# Altium PCB 蓝桥杯2.0.PcbDoc (part 2 of 2)
Units mm, origin at the board's own origin, x right, y up, seen from the top; angles counter-clockwise.
Board outline 200.03 x 140.08 mm, 2 copper layers (Top Layer, Bottom Layer); 155 components, 169 nets, 963 pads, 197 vias.
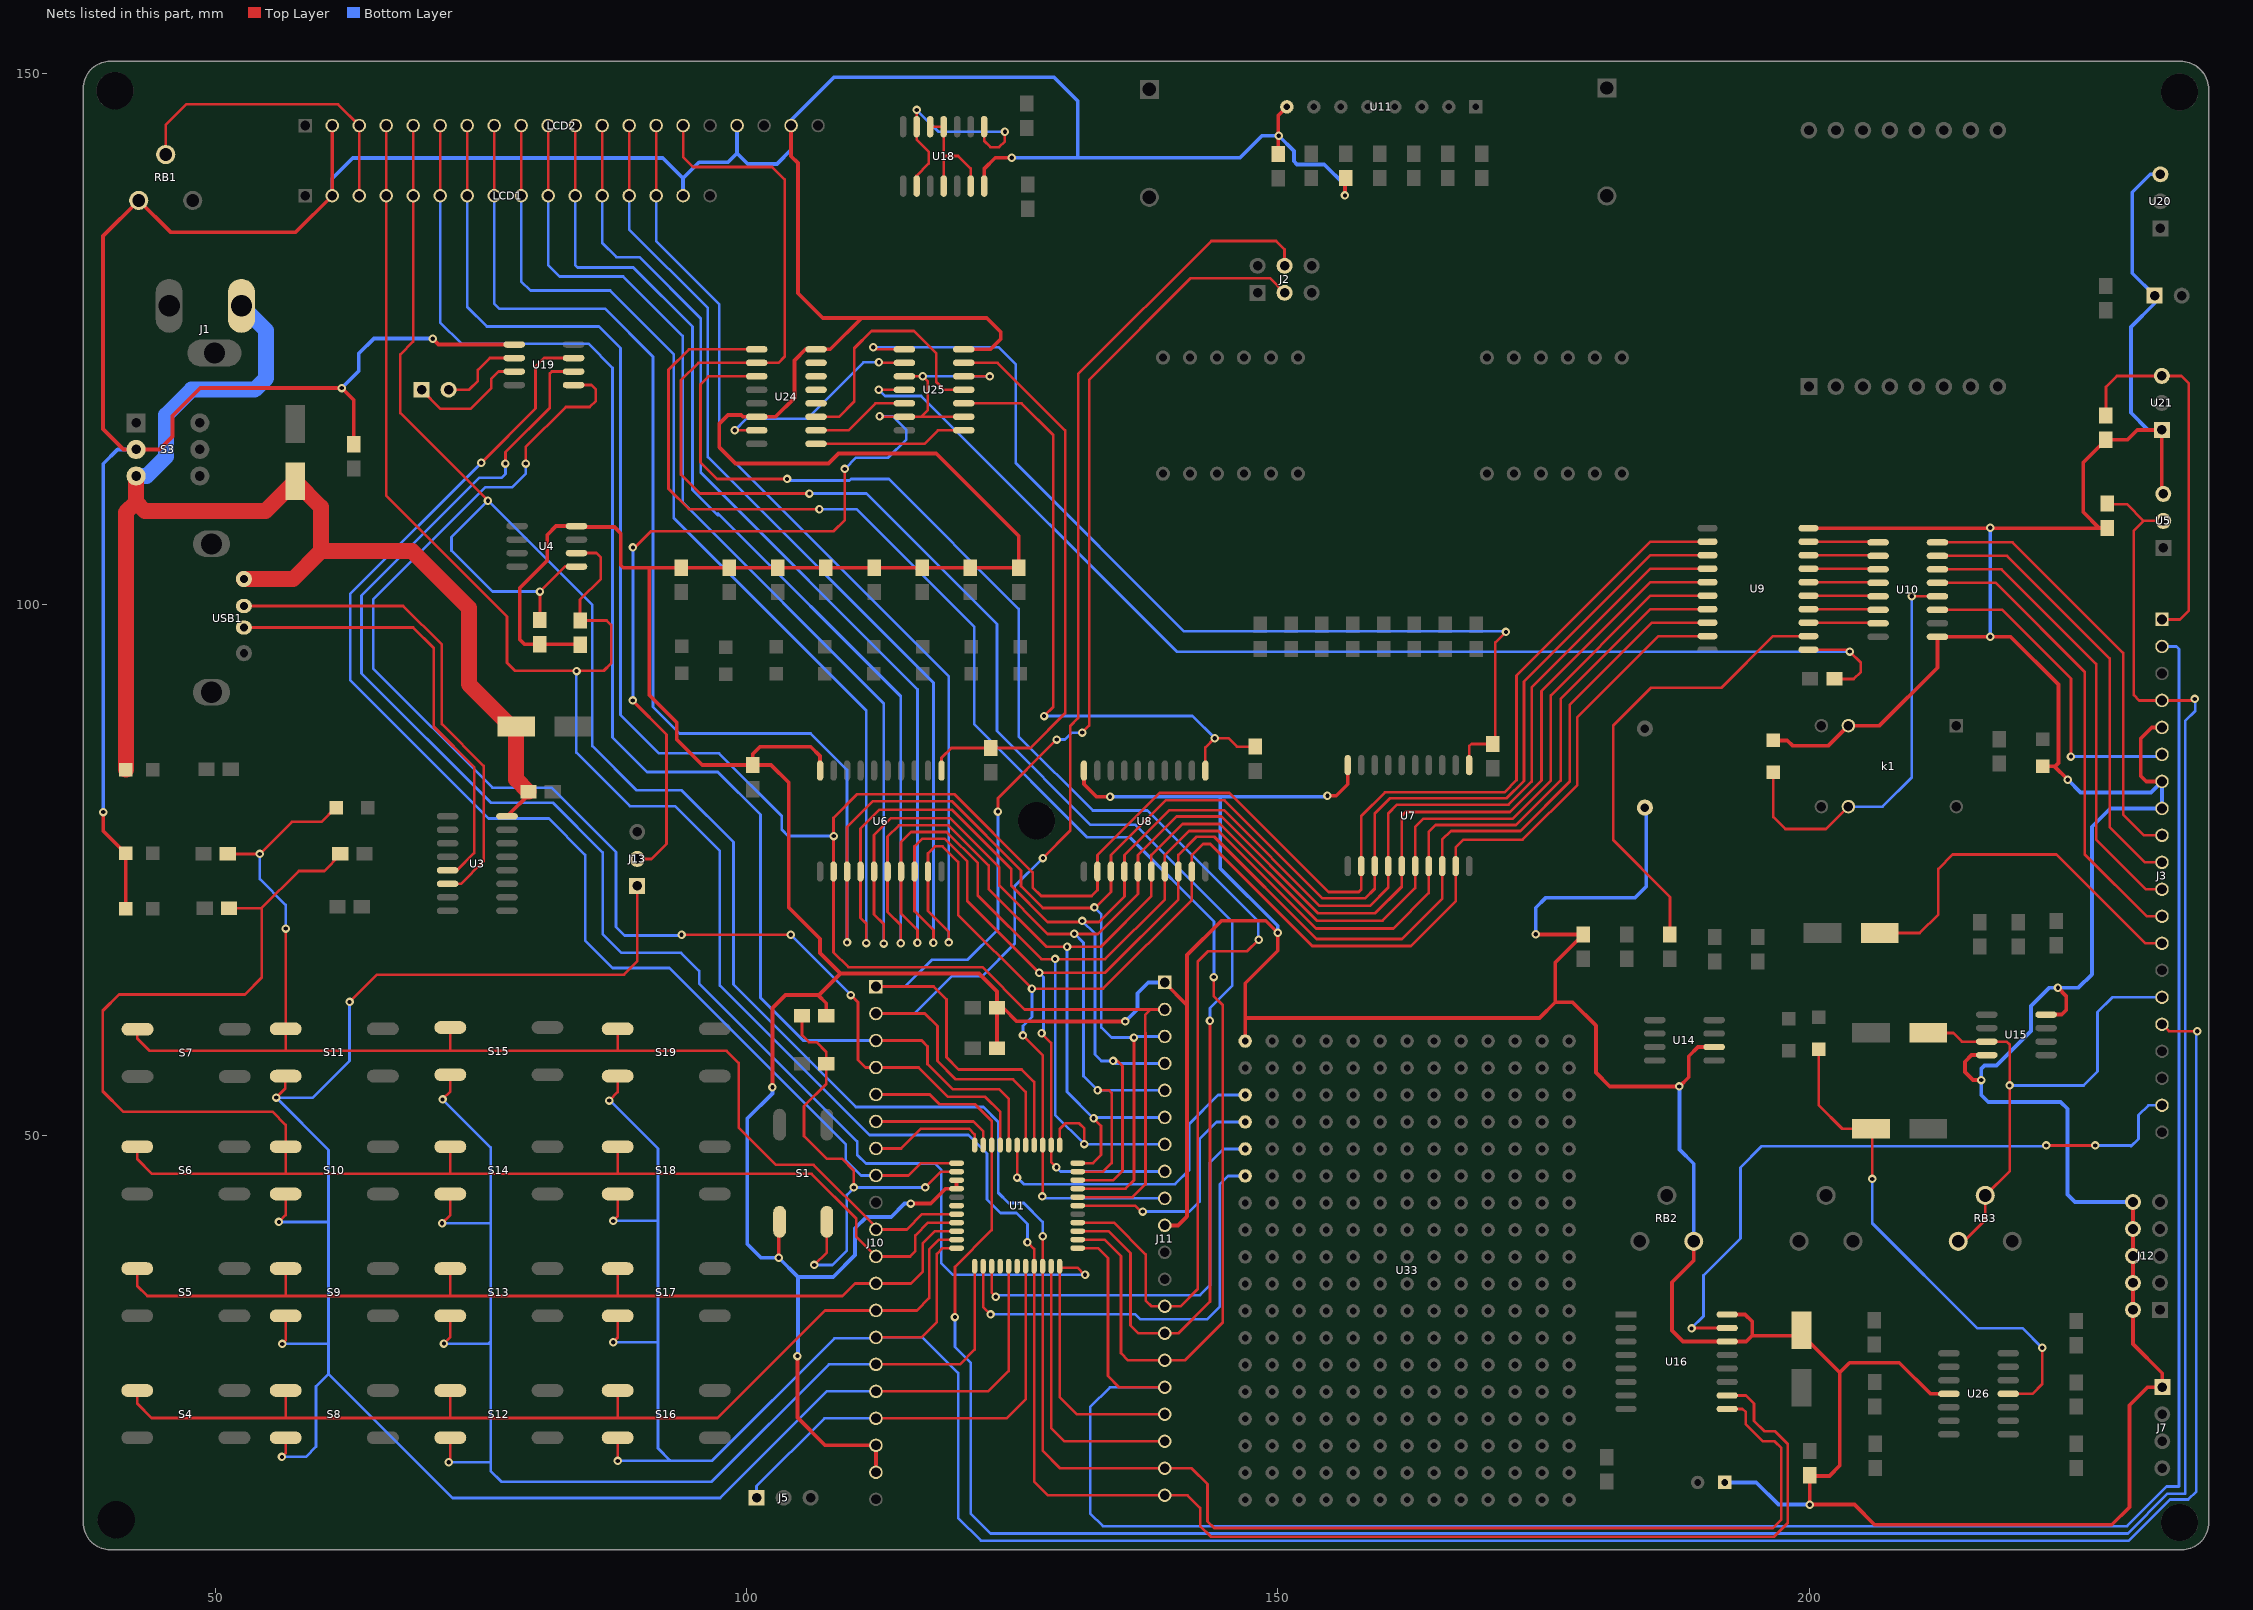
[diagram p2: the nets of this part, all layers, seen from the top]

## Via types
v1: diameter 0.8, hole 0.4, Top Layer to Bottom Layer, tented both sides, 197 vias

## Nets (pads, with @x,y where several pads share a name; then routed paths per layer and width w, separated by ;. In a path a pad name is that pad's centre, name@x,y a point inside that pad or via, vN(x,y) a via of type N, cw(c..) or ccw(c..) an arc to the next point about the centre after c; other vN are vias at no path point) (continued)
NETSIG: C19.1 J3.15 RB3.2 RB3.3 U15.3 | length 50
  Top Layer w0.254: C19.1@211.234,59.69 213.579,59.69 214.397,58.872 U15.3@216.725,58.872 218.603,58.872 218.9,58.575 218.9,46.713 RB3.2@216.586,44.399 216.586,42.064 214.603,40.081 RB3.3@214.046,40.081
  Bottom Layer w0.254: v1(218.875,54.75) 225.85,54.75 227.15,56.05 227.15,61.65 228.539,63.039 J3.15@233.22,63.039
NetU9_13: U9.13 U10.7 | length 6.6
  Top Layer w0.254: U9.13@199.949,98.298 206.434,98.298 U10.7@206.5,98.232
NetU9_14: U9.14 U10.6 | length 6.6
  Top Layer w0.254: U9.14@199.949,99.568 206.434,99.568 U10.6@206.5,99.502
NetU9_15: U9.15 U10.5 | length 6.6
  Top Layer w0.254: U9.15@199.949,100.838 206.434,100.838 U10.5@206.5,100.772
NetU9_16: U9.16 U10.4 | length 6.6
  Top Layer w0.254: U9.16@199.949,102.108 206.434,102.108 U10.4@206.5,102.042
NetU9_17: U9.17 U10.3 | length 6.6
  Top Layer w0.254: U9.17@199.949,103.378 206.434,103.378 U10.3@206.5,103.312
NetU9_18: U9.18 U10.2 | length 6.6
  Top Layer w0.254: U9.18@199.949,104.648 206.434,104.648 U10.2@206.5,104.582
NetU9_19: U9.19 U10.1 | length 6.6
  Top Layer w0.254: U9.19@199.949,105.918 206.434,105.918 U10.1@206.5,105.852
NetU18_1: U18.1 U18.6 U18.9 | length 21.9
  Top Layer w0.254: U18.9@115.997,139.388 115.997,140.347 117.15,141.5 117.15,142.622 116.022,143.75 U18.6@116.022,144.976 ; U18.6@115.997,144.977 v1(116.022,146.547) ; U18.1@122.372,144.976 122.372,143.653 122.975,143.05 123.775,143.05 124.325,143.6 v1(124.325,144.5)
  Bottom Layer w0.254: v1(116.022,146.547) 118.069,144.5 v1(124.325,144.5)
NetU18_4: U18.4 U18.5 U18.11 U18.13 | length 11.5
  Top Layer w0.254: U18.5@117.292,144.976 U18.4@118.562,144.976 118.562,142.225 ; U18.11@118.562,139.388 118.562,142.225 ; U18.13@121.102,139.388 121.102,141.048 119.925,142.225 118.562,142.225
NetU19_2: U19.2 Y3.2 | length 8
  Top Layer w0.254: Y3.2@71.973,120.216 73.891,120.216 74.725,121.05 74.725,122.075 75.853,123.203 U19.2@78.147,123.203
NetU19_3: U19.3 Y3.1 | length 11.4
  Top Layer w0.254: Y3.1@69.433,120.216 71.225,118.425 74.05,118.425 75.975,120.35 75.975,121.225 76.683,121.933 U19.3@78.147,121.933
NHALL: J3.1 R10.2 U21.3 | length 35.5
  Top Layer w0.254: R10.2@227.944,117.799 227.944,120.494 228.967,121.517 U21.3@233.207,121.517 235.058,121.517 235.75,120.825 235.75,99.45 234.899,98.599 J3.1@233.22,98.599
NMOTOR: J3.6 U10.11 | length 31.2
  Top Layer w0.254: U10.11@212.088,99.502 218.198,99.502 224.65,93.05 v1(224.65,85.7)
  Bottom Layer w0.254: v1(224.65,85.7) 233.021,85.7 J3.6@233.22,85.899
NRELAY: D1.1 k1.4 U10.12 | length 39.2
  Top Layer w0.254: D1.1@196.644,84.231 196.644,80.006 197.775,78.875 201.597,78.875 k1.4@203.708,80.986 ; v1@209.675,100.775 209.678,100.772 U10.12@212.088,100.772
  Bottom Layer w0.254: k1.4@203.708,80.986 206.911,80.986 209.676,83.751 v1(209.676,100.774)
NSPK: R14.2 U9.12 | length 43.7
  Top Layer w0.254: R14.2@186.915,68.961 186.915,72.485 181.575,77.825 181.575,88.6 185.15,92.175 191.775,92.175 196.628,97.028 U9.12@199.949,97.028
OUT: J3.19 U16.15 | length 63.8
  Top Layer w0.254: v1(188.95,31.875) 188.992,31.917 U16.15@192.304,31.917 ; v1(222.325,49.1) v1(226.95,49.1)
  Bottom Layer w0.254: v1(188.95,31.875) 188.95,31.9 190.075,33.025 190.075,36.875 193.55,40.35 193.55,47.025 195.55,49.025 222.25,49.025 v1(222.325,49.1) ; v1(226.95,49.1) 230.225,49.1 ; 230.3,49.025 231,49.725 231,51.95 231.929,52.879 J3.19@233.22,52.879
P00: J11.2 LCD1.7 LCD2.7 U1.40 U6.2 U7.2 U8.2 U9.2 | length 284
  Top Layer w0.254: LCD1.7@73.721,138.481 LCD2.7@73.721,145.085 ; U1.40@131.176,44.234 136.334,44.234 137.552,45.452 137.552,59.696 137.525,59.723 137.525,61.375 138.046,61.896 ; J11.2@139.367,61.896 138.046,61.896 ; U9.2@190.449,105.918 185.077,105.918 172.475,93.316 172.475,83.475 171.325,82.325 160.1,82.325 157.861,80.086 U7.2@157.861,75.387 157.861,73.186 157.625,72.95 154.775,72.95 145.45,82.275 138.882,82.275 133.032,76.425 U8.2@133.032,74.879 133.032,73.124 132.485,72.577 127.748,72.577 126.938,73.388 126.938,74.787 119.575,82.15 110.425,82.15 108.204,79.929 U6.2@108.204,74.879 108.204,67.271 109.6,65.875 122.2,65.875 126.179,61.896 138.046,61.896
  Bottom Layer w0.254: LCD1.7@73.721,138.481 73.721,128.029 75.575,126.175 86.125,126.175 88.15,124.15 88.15,89.625 91.775,86 97.425,86 103.325,80.1 103.325,78.825 103.925,78.225 108.2,78.225 v1(108.213,78.213)
P01: J11.3 LCD1.8 LCD2.8 U1.41 U6.3 U7.3 U8.3 U9.3 | length 271.8
  Top Layer w0.254: LCD1.8@76.261,138.481 LCD2.8@76.261,145.085 ; v1(109.474,68.199) U6.3@109.474,74.879 109.474,79.049 111.925,81.5 119.325,81.5 125.85,74.975 125.85,73.5 127.9,71.45 132.8,71.45 134.302,72.953 U8.3@134.302,74.879 134.302,76.425 139.452,81.575 145,81.575 154.225,72.35 158.225,72.35 159.131,73.256 U7.3@159.131,75.387 159.131,80.323 160.583,81.775 171.55,81.775 173.175,83.4 173.175,92.746 185.077,104.648 U9.3@190.449,104.648 ; U1.41@131.176,45.034 135.684,45.034 136.475,45.825 v1(136.475,59.25)
  Bottom Layer w0.254: LCD1.8@76.261,138.481 76.261,128.314 76.725,127.85 86.675,127.85 91.2,123.325 91.2,90.375 93.7,87.875 106.05,87.875 109.474,84.451 v1(109.474,68.199) ; v1@132.5,71.5 v1(132.75,71.5) 133.4,70.85 133.4,60.2 134.35,59.25 v1(136.475,59.25) ; v1@136.475,59.356 J11.3@139.367,59.356
P02: J11.4 LCD1.9 LCD2.9 U1.42 U6.4 U7.4 U8.4 U9.4 | length 259.8
  Top Layer w0.254: LCD1.9@78.801,138.481 LCD2.9@78.801,145.085 ; v1(111.275,68.15) 111.275,69.975 110.744,70.506 U6.4@110.744,74.879 110.744,78.919 112.525,80.7 119.325,80.7 124.925,75.1 124.925,73.55 128.35,70.125 133.175,70.125 135.572,72.522 U8.4@135.572,74.879 135.572,76.425 139.797,80.65 144.95,80.65 153.95,71.65 158.675,71.65 160.401,73.376 U7.4@160.401,75.387 160.401,80.351 161.225,81.175 171.725,81.175 173.9,83.35 173.9,92.201 185.077,103.378 U9.4@190.449,103.378 ; U1.42@131.176,45.834 134.534,45.834 135.4,46.7 135.4,56.575 134.925,57.05 v1(134.5,57.05)
  Bottom Layer w0.254: LCD1.9@78.801,138.481 78.801,130.424 79.675,129.55 87.175,129.55 93.175,123.55 93.175,108.125 111.275,90.025 v1(111.275,68.15) ; v1(131.6,70.225) 132.8,69.025 132.8,57.65 133.4,57.05 v1(134.5,57.05) 134.734,56.816 J11.4@139.367,56.816
P03: J11.5 LCD1.10 LCD2.10 U1.43 U6.5 U7.5 U8.5 U9.5 | length 254.6
  Top Layer w0.254: LCD1.10@81.341,138.481 LCD2.10@81.341,145.085 ; v1(112.925,68.1) 112.925,69.925 112.014,70.836 U6.5@112.014,74.879 112.014,78.314 113.6,79.9 119.15,79.9 123.8,75.25 123.8,73.55 128.35,69 133.075,69 136.843,72.767 U8.5@136.843,74.879 136.843,76.425 140.467,80.05 144.7,80.05 153.8,70.95 159.175,70.95 161.671,73.446 U7.5@161.671,75.387 161.671,80.129 162.025,80.483 169.217,80.483 ; U1.43@131.176,46.634 133.559,46.634 134.375,47.45 134.375,54.05 134.125,54.3 v1(133.05,54.3) ; 169.225,80.475 169.217,80.483 ; U9.5@190.449,102.108 185.077,102.108 174.825,91.856 174.825,83.45 171.858,80.483 169.217,80.483
  Bottom Layer w0.254: LCD1.10@81.341,138.481 81.341,131.959 82.425,130.875 88.4,130.875 94,125.275 94,109.633 112.925,90.708 v1(112.925,68.1) ; v1@130.825,69.025 v1(130.85,69.025) 130.875,69.025 131.725,68.175 131.725,55.625 v1(133.05,54.3) 139.343,54.3 J11.5@139.367,54.276
P04: J11.6 LCD1.11 LCD2.11 U1.44 U6.6 U7.6 U8.6 U9.6 | length 249
  Top Layer w0.254: LCD1.11@83.881,138.481 LCD2.11@83.881,145.085 ; v1(114.525,68.125) 114.525,69.825 113.284,71.066 U6.6@113.284,74.879 113.284,78.159 114.35,79.225 119.025,79.225 122.8,75.45 122.8,73.225 128.225,67.8 v1(130.175,67.8) 133.35,67.8 138.112,72.562 U8.6@138.112,74.879 138.112,76.425 141.037,79.35 144.575,79.35 153.675,70.25 159.875,70.25 162.941,73.316 U7.6@162.941,75.387 162.941,79.066 163.725,79.85 172.125,79.85 175.7,83.425 175.7,91.461 185.077,100.838 U9.6@190.449,100.838 ; U1.44@131.176,47.434 132.609,47.434 133.375,48.2 133.375,50.95 v1(132.675,51.65)
  Bottom Layer w0.254: LCD1.11@83.881,138.481 83.881,131.944 84.1,131.725 89.35,131.725 94.925,126.15 94.925,110.775 97.275,108.425 97.471,108.425 ; 97.323,108.573 97.471,108.425 ; v1(114.525,68.125) 114.525,91.371 97.471,108.425 ; v1(130.175,67.8) 130.175,54.15 v1(132.675,51.65) 132.761,51.736 J11.6@139.367,51.736
P05: J11.7 LCD1.12 LCD2.12 U1.1 U6.7 U7.7 U8.7 U9.7 | length 247.1
  Top Layer w0.254: LCD1.12@86.421,138.481 LCD2.12@86.421,145.085 ; v1(116.1,68.175) 116.1,69.375 114.554,70.921 U6.7@114.554,74.879 114.554,77.654 115.5,78.6 118.85,78.6 121.775,75.675 121.775,72.6 127.75,66.625 133.75,66.625 139.382,72.258 U8.7@139.382,74.879 139.382,76.425 141.657,78.7 144.425,78.7 153.6,69.525 160.9,69.525 164.211,72.836 U7.7@164.211,75.387 164.211,78.611 164.85,79.25 172.425,79.25 176.625,83.45 176.625,91.116 185.077,99.568 U9.7@190.449,99.568 ; U1.1@129.476,49.134 129.476,50.626 130.05,51.2 131.275,51.2 131.8,50.675 v1(131.8,49.225)
  Bottom Layer w0.254: LCD1.12@86.421,138.481 86.421,134.054 87.775,132.7 89.925,132.7 95.7,126.925 95.7,112.424 116.1,92.024 v1(116.1,68.175) ; v1@129.025,66.675 v1(129.05,66.65) 129.05,51.975 v1(131.8,49.225) 139.338,49.225 J11.7@139.367,49.196
P06: J11.8 LCD1.13 LCD2.13 U1.2 U6.8 U7.8 U8.8 U9.8 | length 242
  Top Layer w0.254: LCD1.13@88.961,138.481 LCD2.13@88.961,145.085 ; v1(117.6,68.175) 117.6,69.375 115.824,71.151 U6.8@115.824,74.879 115.824,77.249 116.55,77.975 118.649,77.975 120.774,75.849 120.774,72.126 v1(127.55,65.35) 133.75,65.35 140.653,72.252 U8.8@140.653,74.879 140.653,76.425 142.377,78.15 144.027,78.15 153.652,68.525 161.7,68.525 165.481,72.306 U7.8@165.481,75.387 165.481,77.881 166.3,78.7 172.85,78.7 177.475,83.325 177.475,90.548 185.225,98.298 U9.8@190.449,98.298 ; v1(127.775,59.65) 128.676,58.749 U1.2@128.676,49.134 128.676,47.549 v1(129.175,47.05)
  Bottom Layer w0.254: LCD1.13@88.961,138.481 88.961,135.314 96.375,127.9 96.375,113.87 117.6,92.645 v1(117.6,68.175) ; v1(127.55,65.35) 127.952,64.948 127.952,59.827 v1(127.775,59.65) ; v1(129.175,47.05) 129.569,46.656 J11.8@139.367,46.656
P07: J11.9 LCD1.14 LCD2.14 U1.3 U6.9 U7.9 U8.9 U9.9 | length 242.7
  Top Layer w0.254: LCD1.14@91.501,138.481 LCD2.14@91.501,145.085 ; v1(119.05,68.2) 119.05,69.2 117.094,71.156 U6.9@117.094,74.879 117.094,76.594 117.747,77.247 118.453,77.247 119.925,75.775 119.925,70.8 v1(126.875,63.85) 133.575,63.85 141.922,72.197 U8.9@141.922,74.879 141.922,76.425 142.972,77.475 143.65,77.475 153.25,67.875 162.55,67.875 166.751,72.076 U7.9@166.751,75.387 166.751,77.151 167.475,77.875 173.05,77.875 178.2,83.025 178.2,89.403 185.825,97.028 U9.9@190.449,97.028 ; v1(126.025,59.45) 127.876,57.599 U1.3@127.876,49.134 127.876,44.326 v1(127.85,44.3)
  Bottom Layer w0.254: LCD1.14@91.501,138.481 91.501,134.199 97.45,128.25 97.45,114.846 119.05,93.246 v1(119.05,68.2) ; v1(126.025,59.45) 126.025,60.35 126.875,61.2 v1(126.875,63.85) ; v1(127.85,44.3) 128.034,44.116 J11.9@139.367,44.116
P10: J2.3 J10.1 U1.4 | length 120.7
  Top Layer w0.254: J10.1@112.189,64.055 117.62,64.055 118.825,62.85 118.825,57.4 119.975,56.25 125.9,56.25 127.076,55.074 U1.4@127.076,49.134 ; v1(123.675,80.525) 123.675,81.775 v1(129.2,87.3) ; v1(131.6,87.95) 132.25,88.6 132.25,121.15 141.813,130.713 148.588,130.713 148.6,130.725 149.259,130.725 J2.3@150.644,129.34
  Bottom Layer w0.254: J10.1@112.189,64.055 114.93,64.055 117.45,66.575 120.825,66.575 123.675,69.425 v1(123.675,80.525) ; v1(129.2,87.3) 129.975,87.3 130.625,87.95 v1(131.6,87.95)
P11: J2.4 J10.2 U1.5 | length 122.4
  Top Layer w0.254: J10.2@112.189,61.515 116.785,61.515 117.975,60.325 117.975,57.05 119.7,55.325 125.1,55.325 126.276,54.149 U1.5@126.276,49.134 ; v1(127.9,76.15) 130.475,78.725 130.475,88.575 131.225,89.325 131.225,121.7 143.75,134.225 149.85,134.225 150.644,133.431 J2.4@150.644,131.88
  Bottom Layer w0.254: J10.2@112.189,61.515 115.815,61.515 119.35,65.05 122.2,65.05 125.25,68.1 125.25,73.5 v1(127.9,76.15)
P12: J10.3 LCD1.6 LCD2.6 U1.7 | length 138.1
  Top Layer w0.254: LCD1.6@71.181,138.481 LCD2.6@71.181,145.085 ; J10.3@112.189,58.975 116.5,58.975 117.05,58.425 117.05,56.75 119.425,54.375 123.8,54.375 124.676,53.499 U1.7@124.676,49.134
  Bottom Layer w0.254: LCD1.6@71.181,138.481 71.181,126.556 73.187,124.55 85.125,124.55 87.4,122.275 87.4,87.5 90.65,84.25 97.3,84.25 101.325,80.225 101.325,63 105.35,58.975 J10.3@112.189,58.975
P13: J10.4 U1.8 U19.5 | length 126.7
  Top Layer w0.254: v1(79.225,113.275) 79.225,114.825 83,118.6 85.25,118.6 85.825,119.175 85.825,120.25 85.412,120.663 U19.5@83.735,120.663 ; v1(93.9,68.925) v1(104.175,68.925) ; v1(109.825,63.25) 110.5,62.575 110.5,57.15 111.215,56.435 J10.4@112.189,56.435 116.215,56.435 118.975,53.675 122.475,53.675 123.876,52.274 U1.8@123.876,49.134
  Bottom Layer w0.254: v1(79.225,113.275) 79.225,112.3 77.975,111.05 75.427,111.05 64.875,100.498 64.875,94 76.1,82.775 81.65,82.775 87.725,76.7 87.725,69.65 88.525,68.85 v1@93.85,68.85 ; v1(104.175,68.925) 104.175,68.9 v1(109.825,63.25)
P14: J3.4 J10.5 R11.2 U1.9 U5.2 | length 271.4
  Top Layer w0.254: J10.5@112.189,53.895 117.255,53.895 118.175,52.975 121.525,52.975 123.076,51.424 U1.9@123.076,49.134 123.076,41.374 ; v1(119.625,32.95) 119.625,37.675 123.076,41.126 123.076,41.374 ; 123.1,41.35 123.076,41.374 ; R11.2@228.071,109.163 228.358,109.45 229.925,109.45 231.498,107.877 ; U5.2@233.343,107.877 231.498,107.877 ; v1(236.3,91.125) 236.154,90.979 J3.4@233.22,90.979 231.071,90.979 230.575,91.475 230.575,106.954 231.498,107.877
  Bottom Layer w0.254: v1(119.625,32.95) 119.625,30.125 121.125,28.625 121.125,14.425 122.975,12.575 230,12.575 233.751,16.325 235.4,16.325 235.4,89.025 236.35,89.975 v1@236.35,90.925
P15MOSI: J10.6 U1.10 | length 11.8
  Top Layer w0.254: J10.6@112.189,51.355 121.37,51.355 122.276,50.449 U1.10@122.276,49.134
P16MISO: J10.7 U1.11 | length 11.3
  Top Layer w0.254: J10.7@112.189,48.815 114.565,48.815 116.425,50.675 120.95,50.675 121.476,50.149 U1.11@121.476,49.134
P17SCK: J10.8 U1.12 U19.7 | length 123.2
  Top Layer w0.254: v1@75,113.3 v1(75.05,113.35) 80.15,118.45 80.15,122.4 80.953,123.203 U19.7@83.735,123.203 ; J10.8@112.189,46.275 115.25,46.275 116.409,47.434 U1.12@119.776,47.434
  Bottom Layer w0.254: v1(75.05,113.35) 62.725,101.025 62.725,92.875 75.725,79.875 81.4,79.875 84.825,76.45 84.825,68.375 87.4,65.8 92.748,65.8 109.357,49.191 109.357,47.693 110.775,46.275 J10.8@112.189,46.275
P20SCL: J11.20 LCD1.4 LCD2.4 R7.1 U1.30 U4.6 U16.10 | length 275.1
  Top Layer w0.254: LCD2.4@66.101,145.085 LCD1.4@66.101,138.481 66.101,110.249 77.475,98.875 77.475,94.525 78.225,93.775 86.575,93.775 87.275,94.475 87.275,98.075 86.846,98.504 R7.1@84.344,98.504 84.344,100.469 86.3,102.425 86.3,104.425 85.879,104.846 U4.6@84.01,104.846 ; v1(126.45,40) 127.076,39.374 U1.30@127.076,37.734 127.076,17.474 128.374,16.176 J11.20@139.367,16.176 141.524,16.176 142.7,15 142.7,13.3 143.725,12.275 196.725,12.275 198,13.55 198,21 196.8,22.2 195.8,22.2 194.825,23.175 194.825,24.8 194.058,25.567 U16.10@192.304,25.567
  Bottom Layer w0.254: v1(84.011,93.739) 83.997,93.753 83.997,86.078 89.05,81.025 93.275,81.025 97.5,76.8 97.5,64.15 111.575,50.075 120.9,50.075 122.65,48.325 122.65,44.025 123.925,42.75 125.4,42.75 126.45,41.7 v1(126.45,40)
P21SDA: J11.19 LCD1.5 LCD2.5 R9.1 U1.31 U4.5 U16.9 | length 272.6
  Top Layer w0.254: LCD2.5@68.641,145.085 LCD1.5@68.641,138.481 68.641,124.766 67.425,123.55 67.425,118.025 v1(75.675,109.775) ; R9.1@80.569,98.554 v1(80.569,101.219) 82.926,103.576 U4.5@84.01,103.576 ; v1(127.876,40.551) U1.31@127.876,37.734 127.876,20.374 129.534,18.716 J11.19@139.367,18.716 141.909,18.716 143.4,17.225 143.4,13.725 144.025,13.1 196.6,13.1 197.4,13.9 197.4,20.625 196.775,21.25 195.65,21.25 194.05,22.85 194.05,23.995 193.747,24.297 U16.9@192.304,24.297
  Bottom Layer w0.254: v1@80.569,101.225 76.1,101.225 72.25,105.075 72.25,106.35 v1(75.675,109.775) 85.5,99.95 85.5,86.7 89.672,82.528 93.897,82.528 98.775,77.65 98.775,64.25 110.3,52.725 122.3,52.725 123.7,51.325 123.7,44.65 124.675,43.675 126.1,43.675 127.876,41.899 v1(127.876,40.551)
P22: J11.18 U1.32 | length 26.4
  Top Layer w0.254: U1.32@128.676,37.734 128.676,22.524 129.944,21.256 J11.18@139.367,21.256
P23: J11.17 U1.33 U19.6 | length 167.3
  Top Layer w0.254: v1(77.325,113.275) 77.325,114.35 81.5,118.525 81.5,121.75 81.683,121.933 U19.6@83.735,121.933 ; v1(131.875,36.925) 131.825,36.925 131.15,37.6 129.61,37.6 U1.33@129.476,37.734 129.476,25.424 131.104,23.796 J11.17@139.367,23.796
  Bottom Layer w0.254: v1(77.325,113.275) 77.325,112.3 76.95,111.925 74.85,111.925 63.775,100.85 63.775,93.525 75.95,81.35 81.8,81.35 86.475,76.675 86.475,69 88.25,67.225 93.85,67.225 95.55,65.525 95.55,64.35 110.425,49.475 110.425,48.225 111.25,47.4 117.75,47.4 118.325,46.825 118.325,38.05 119.45,36.925 v1(131.875,36.925)
P24: J3.2 J11.16 U1.34 | length 222.9
  Top Layer w0.254: U1.34@131.176,39.434 133.091,39.434 134.025,38.5 134.025,27.4 135.089,26.336 J11.16@139.367,26.336
  Bottom Layer w0.254: J11.16@139.367,26.336 134.211,26.336 132.35,24.475 132.35,14.475 133.55,13.275 229.931,13.275 233.656,17 234.825,17 234.825,95.825 234.591,96.059 J3.2@233.22,96.059
P25: J11.15 U1.35 U24.1 | length 157.1
  Top Layer w0.254: U24.1@100.963,124.023 94.598,124.023 92.675,122.1 92.675,110.9 94.6,108.975 v1(106.875,108.975) ; U1.35@131.176,40.234 133.716,40.234 135.25,38.7 135.25,29.55 135.924,28.876 J11.15@139.367,28.876 141.251,28.876 144.825,32.45 144.825,62.3 143.975,63.15 v1(143.975,64.95)
  Bottom Layer w0.254: v1(106.875,108.975) 110.35,108.975 121.45,97.875 121.45,88.725 132.072,78.103 136.075,78.103 144,70.178 v1@144,64.975
P26: J11.14 LCD2.15 U1.36 U24.2 | length 183.1
  Top Layer w0.254: LCD2.15@94.041,145.085 94.041,142.109 94.975,141.175 102.425,141.175 103.6,140 103.6,123.325 103.028,122.753 U24.2@100.963,122.753 95.478,122.753 93.85,121.125 93.85,112.225 95.625,110.45 v1(105.925,110.45) ; U1.36@131.176,41.034 134.091,41.034 136.15,38.975 136.15,32.15 136.884,31.416 J11.14@139.367,31.416 140.641,31.416 143.625,34.4 v1(143.625,60.831)
  Bottom Layer w0.254: v1(105.925,110.45) 111.3,110.45 123.575,98.175 123.575,88.1 132.4,79.275 136.618,79.275 145.715,70.178 145.715,64.115 143.625,62.025 v1(143.625,60.831)
P27: J11.13 U1.37 U24.3 | length 147.6
  Top Layer w0.254: U24.3@100.963,121.483 96.433,121.483 95.675,120.725 95.675,113.375 97.225,111.825 v1(103.825,111.825) v1@103.975,111.825 ; U1.37@131.176,41.834 134.591,41.834 137.575,38.85 137.575,34.525 138.144,33.956 J11.13@139.367,33.956 140.856,33.956 142.475,35.575 142.475,66.4 143.45,67.375 147.1,67.375 148.175,68.45 v1(148.225,68.45)
  Bottom Layer w0.254: v1(103.825,111.825) 103.965,111.685 109.709,111.685 109.848,111.825 113.4,111.825 125.622,99.603 125.622,87.603 132.6,80.625 137.725,80.625 148.172,70.178 v1@148.172,68.45
P30TXD: D4.1 J10.10 R27.1 S7.1 S11.1 S15.1 S19.1 U1.18 | length 126
  Top Layer w0.254: S7.1@42.672,60.452 42.672,59.178 43.85,58 56.6,58 ; R27.1@51.179,76.531 v1(54.206,76.531) 57.225,79.55 60,79.55 61.331,80.881 D4.1@61.381,80.881 ; v1@56.625,69.525 v1(56.642,69.508) S11.1@56.642,60.071 56.642,58.042 56.6,58 ; S15.1@72.136,60.198 72.136,58.014 72.15,58 ; S19.1@87.884,60.071 87.884,58.009 87.875,58 ; U1.18@119.776,42.634 116.534,42.634 115.095,41.195 J10.10@112.189,41.195 112.189,41.411 106.325,47.275 102.775,47.275 99.275,50.775 99.275,56.85 98.125,58 87.875,58 ; 56.6,58 72.15,58 ; 72.15,58 87.875,58
  Bottom Layer w0.254: v1(54.206,76.531) 54.206,74.169 56.642,71.733 v1(56.642,69.508)
P31RXD: J10.11 R1.1 R28.2 S6.1 S10.1 S14.1 S18.1 U1.19 | length 156.6
  Top Layer w0.254: S6.1@42.672,48.98 42.672,47.828 44.075,46.425 56.65,46.425 ; R1.1@51.304,71.431 54.381,71.431 ; R28.2@61.768,76.556 61.768,76.418 60.275,74.925 57.875,74.925 54.381,71.431 ; S14.1@72.136,48.98 72.136,46.436 72.125,46.425 ; S18.1@87.884,48.98 87.884,46.516 87.975,46.425 ; U1.19@119.776,41.834 117.109,41.834 115.9,40.625 115.9,39.15 115.405,38.655 J10.11@112.189,38.655 110.35,40.494 110.35,42.2 106.125,46.425 87.975,46.425 ; 54.381,71.431 54.381,64.881 52.8,63.3 40.95,63.3 39.425,61.775 39.425,54.2 41.35,52.275 55.384,52.275 56.642,51.017 S10.1@56.642,48.98 56.642,46.433 56.65,46.425 ; 56.65,46.425 72.125,46.425 ; 72.125,46.425 87.975,46.425
P32: J10.12 S5.1 S9.1 S13.1 S17.1 U1.20 | length 91.1
  Top Layer w0.254: S5.1@42.672,37.507 42.672,35.878 43.625,34.925 56.7,34.925 ; S9.1@56.642,37.507 56.642,34.983 56.7,34.925 ; S13.1@72.136,37.507 72.136,34.964 72.175,34.925 ; S17.1@87.884,37.507 87.884,35.066 88.025,34.925 ; U1.20@119.776,41.034 117.734,41.034 116.6,39.9 116.6,37.225 115.49,36.115 J10.12@112.189,36.115 110.215,36.115 109.025,34.925 88.025,34.925 ; 56.7,34.925 72.175,34.925 ; 72.175,34.925 88.025,34.925
P33: J10.13 S4.1 S8.1 S12.1 S16.1 U1.21 | length 96.3
  Top Layer w0.254: S4.1@42.672,26.035 42.672,24.803 44.025,23.45 56.625,23.45 ; S8.1@56.642,26.035 56.642,23.467 56.625,23.45 ; S12.1@72.136,26.035 72.136,23.464 72.15,23.45 ; S16.1@87.884,26.035 87.884,23.466 87.9,23.45 ; U1.21@119.776,40.234 118.134,40.234 117.2,39.3 117.2,34.725 116.05,33.575 J10.13@112.189,33.575 107.4,33.575 97.275,23.45 87.9,23.45 ; 56.625,23.45 72.15,23.45 ; 72.15,23.45 87.9,23.45
P34: J3.16 J10.14 S16.2 S17.2 S18.2 S19.2 U1.22 | length 288.1
  Top Layer w0.254: v1(87.1,53.325) 87.884,54.109 S19.2@87.884,55.626 ; v1(87.456,30.575) 87.884,31.003 S17.2@87.884,33.062 ; v1(87.456,42) 87.884,42.428 S18.2@87.884,44.535 ; v1(87.881,19.413) 87.884,19.416 S16.2@87.884,21.59 ; J10.14@112.189,31.035 116.485,31.035 117.925,32.475 117.925,38.9 118.459,39.434 U1.22@119.776,39.434 ; J3.16@233.22,60.499 233.866,59.853 v1(236.537,59.853)
  Bottom Layer w0.254: v1(87.1,53.325) 87.15,53.325 91.675,48.8 91.675,41.925 ; v1(87.456,30.575) 91.6,30.575 91.675,30.5 ; v1(87.456,42) 91.6,42 91.675,41.925 ; v1(87.881,19.413) 96.738,19.413 108.275,30.95 112.104,30.95 J10.14@112.189,31.035 116.565,31.035 119.925,27.675 119.925,14.05 122.075,11.9 230.095,11.9 233.976,15.781 235.681,15.781 236.45,16.55 236.45,59.625 236.678,59.853 v1(236.537,59.853) ; 92.812,19.463 91.675,20.6 91.675,30.5 ; 91.675,30.5 91.675,41.925
P35: J10.15 S12.2 S13.2 S14.2 S15.2 U1.23 | length 119.8
  Top Layer w0.254: v1(71.356,41.775) 72.136,42.555 S14.2@72.136,44.535 ; v1(71.406,53.425) 71.406,53.459 72.136,54.189 S15.2@72.136,55.753 ; v1(71.531,30.45) 72.136,31.055 S13.2@72.136,33.062 ; v1(71.975,19.275) 72.136,19.436 S12.2@72.136,21.59 ; J10.15@112.189,28.495 120.095,28.495 121.476,29.876 U1.23@121.476,37.734
  Bottom Layer w0.254: v1(71.356,41.775) 75.9,41.775 75.925,41.75 ; v1(71.406,53.425) 75.925,48.906 75.925,41.75 ; v1(71.531,30.45) 75.75,30.45 75.925,30.625 ; v1(71.975,19.275) 75.9,19.275 75.925,19.25 ; J10.15@112.189,28.495 107.77,28.495 96.725,17.45 76.95,17.45 75.925,18.475 75.925,19.25 ; 75.925,19.25 75.925,30.625 ; 75.925,30.625 75.925,41.75
P36: U1.24 U33.6 | length 41.3
  Top Layer w0.254: U1.24@122.276,37.734 122.276,33.899 v1(122.975,33.2)
  Bottom Layer w0.254: v1(122.975,33.2) 136.6,33.2 137.05,32.75 143.375,32.75 144.55,33.925 144.55,45.45 145.328,46.228 U33.6@146.939,46.228
P37: U1.25 U33.5 | length 39
  Top Layer w0.254: U1.25@123.076,37.734 123.076,35.249 v1(123.475,34.85)
  Bottom Layer w0.254: v1(123.475,34.85) 123.633,35.008 142.683,35.008 143.625,35.95 143.625,47.475 144.918,48.768 U33.5@146.939,48.768
P40: U1.17
P41: U1.26
P42WR: J10.16 J13.1 S8.2 S9.2 S10.2 S11.2 U1.27 | length 191.3
  Top Layer w0.254: v1(55.75,53.6) 56.6,54.45 56.6,55.584 S11.2@56.642,55.626 ; v1(56.006,41.9) 56.642,42.536 S10.2@56.642,44.535 ; v1(56.29,19.79) 56.642,20.142 S8.2@56.642,21.59 ; v1(56.306,30.425) 56.642,30.761 S9.2@56.642,33.062 ; v1(62.65,62.6) 65.225,65.175 88.475,65.175 89.722,66.422 J13.1@89.722,73.524 ; J10.16@112.189,25.955 122.755,25.955 124.676,27.876 U1.27@124.676,37.734
  Bottom Layer w0.254: v1(56.006,41.9) 60.65,41.9 60.675,41.875 ; v1(56.29,19.79) 58.535,19.79 59.5,20.755 59.5,26.425 60.675,27.6 ; v1(56.306,30.425) 60.65,30.425 60.675,30.45 ; v1(62.65,62.6) 62.65,57.05 59.2,53.6 v1(55.75,53.6) 60.675,48.675 60.675,41.875 ; J10.16@112.189,25.955 107.555,25.955 97.525,15.925 72.35,15.925 60.675,27.6 ; 60.675,27.6 60.675,30.45 ; 60.675,30.45 60.675,41.875
P43: U1.28
P44RD: J5.1 J10.17 U1.29 | length 42.3
  Top Layer w0.254: J10.17@112.189,23.415 124.49,23.415 126.276,25.201 U1.29@126.276,37.734
  Bottom Layer w0.254: J5.1@100.956,15.942 100.956,17.031 107.34,23.415 J10.17@112.189,23.415
P46: U1.39 U33.4 | length 22.8
  Top Layer w0.254: U1.39@131.176,43.434 136.566,43.434 v1@137.175,42.825
  Bottom Layer w0.254: v1(137.3,42.875) 141.7,42.875 142.65,43.825 142.65,49.7 144.258,51.308 U33.4@146.939,51.308
P47: U1.6 U33.3 | length 30.8
  Top Layer w0.254: v1(125.476,46.076) U1.6@125.476,49.134
  Bottom Layer w0.254: v1(125.476,46.076) 126.102,45.45 140.325,45.45 141.675,46.8 141.675,51.125 144.398,53.848 U33.3@146.939,53.848
RST: CR1.1 R3.2 S1.2 U1.13 | length 45.8
  Top Layer w0.254: CR1.1@105.226,61.294 105.226,59.474 105.875,58.825 106.6,58.825 107.512,57.913 R3.2@107.512,56.79 107.512,54.887 105.425,52.8 105.425,49.975 107.55,47.85 109,47.85 110.1,46.75 v1(110.1,45.15) ; v1(106.375,37.85) 107.569,39.044 S1.2@107.569,41.91 ; v1(116.825,45.15) 118.309,46.634 U1.13@119.776,46.634
  Bottom Layer w0.254: v1(106.375,37.85) 108.1,37.85 109.45,39.2 109.45,44.45 110.15,45.15 v1(116.825,45.15)
SPK: C18.2 J3.13 | length 35.6
  Top Layer w0.254: C18.2@206.662,69.088 210.413,69.088 212.175,70.85 212.175,75.125 213.525,76.475 223.3,76.475 231.656,68.119 J3.13@233.22,68.119
STEPA: J3.9 U10.16 | length 41.5
  Top Layer w0.254: U10.16@212.088,105.852 219.161,105.852 229.56,95.453 229.56,80.24 231.521,78.279 J3.9@233.22,78.279
STEPB: J3.10 U10.15 | length 42.4
  Top Layer w0.254: U10.15@212.088,104.582 218.635,104.582 228.29,94.927 228.29,79.06 231.611,75.739 J3.10@233.22,75.739
STEPC: J3.11 U10.14 | length 43.3
  Top Layer w0.254: U10.14@212.088,103.312 218.109,103.312 227.02,94.401 227.02,77.905 231.726,73.199 J3.11@233.22,73.199
STEPD: J3.12 U10.13 | length 44.2
  Top Layer w0.254: U10.13@212.088,102.042 217.583,102.042 225.95,93.675 225.95,76.5 231.791,70.659 J3.12@233.22,70.659
UD+: U3.5 USB1.D1 | length 42.7
  Top Layer w0.254: USB1.D1@52.704,97.836 68.639,97.836 70.575,95.9 70.575,88.501 74.375,84.701 74.375,76.625 72.741,74.991 U3.5@71.88,74.991
UD-: U3.6 USB1.D2 | length 46.4
  Top Layer w0.254: USB1.D2@52.704,99.868 67.7,99.868 71.332,96.236 71.332,88.768 75.275,84.825 75.275,75.875 73.121,73.721 U3.6@71.88,73.721
VCC: BEEP.1 C2.2 C11.2 C12.2 C13.2 C15.2 C21.1 C22.1 CR1.2 D1.2 J3.5 J3.7 J3.8 J7.1 J10.18 J10.19 J11.1 J11.10 J12.1 J12.2 J12.3 J12.4 J12.5 k1.5 L10.1 L11.1 L12.1 LCD1.2 LCD1.15 LCD2.2 LCD2.17 LCD2.19 LD1.1 R5.1 R6.1 R7.2 R9.2 R10.1 R11.1 R32.1 R33.1 R40.1 R41.1 R42.1 R43.1 R44.1 R45.1 RB1.3 RB2.1 RD1.1 S1.1 S3.2 U1.14 U1.15 U4.8 U5.3 U6.20 U7.20 U8.20 U9.20 U10.9 U11.8 U14.6 U15.4 U15.8 U16.14 U16.16 U18.14 U19.1 U20.3 U21.1 U24.6 U24.16 U25.14 U26.4 U33.1 | length 1190.9
  Top Layer w0.354: v1(39.475,80.475) 39.475,78.699 L11.1@41.595,76.58 L12.1@41.595,71.373 ; LCD2.2@61.021,145.085 LCD1.2@61.021,138.481 57.59,135.05 45.793,135.05 RB1.3@42.809,138.034 39.45,134.675 39.45,116.525 41.374,114.601 S3.2@42.561,114.601 44.776,114.601 46,115.825 46,117.775 48.6,120.375 v1(61.925,120.375) 63.039,119.261 C13.2@63.039,115.081 ; v1(70.475,125.025) 71.027,124.473 U19.1@78.147,124.473 ; R7.2@84.294,96.268 R9.2@80.569,96.268 79.107,96.268 78.675,96.7 78.675,101.569 81.25,104.144 81.25,106.55 82.086,107.386 U4.8@84.01,107.386 84.096,107.3 87.575,107.3 88.175,106.7 88.175,103.7 88.413,103.462 90.85,103.462 ; v1(102.45,54.575) 102.45,62.025 103.675,63.25 106.75,63.25 ; v1(103.05,38.525) 103.05,41.836 S1.1@103.124,41.91 ; LCD2.19@104.201,145.085 104.201,142.199 104.85,141.55 104.85,129.3 107.175,126.975 110.85,126.975 ; v1(104.8,29.275) 104.8,23.5 107.425,20.875 J10.18@112.189,20.875 J10.19@112.189,18.335 ; U6.20@106.934,84.379 106.934,85.741 106.05,86.625 101.275,86.625 100.597,85.947 C15.2@100.597,84.914 ; CR1.2@107.512,61.294 107.512,62.488 106.75,63.25 ; v1(115.475,43.625) 117.35,43.625 118.759,45.034 U1.15@119.776,45.034 U1.14@119.776,45.834 ; U25.14@120.454,124.023 122.973,124.023 123.925,124.975 123.925,125.675 122.625,126.975 110.85,126.975 ; U18.14@122.372,139.388 122.372,141.003 123.419,142.05 v1(124.975,142.05) v1@125,142.025 ; C2.2@123.59,58.246 C12.2@123.59,62.056 ; U8.20@131.762,84.379 131.762,83.087 132.925,81.925 v1(134.225,81.925) ; v1(135.65,60.775) 128.244,60.775 128.242,60.777 125.448,60.777 124.169,62.056 C12.2@123.59,62.056 ; J11.10@139.367,41.576 140.626,41.576 141.475,42.425 141.475,62.3 ; J11.1@139.367,64.436 139.367,64.408 141.475,62.3 ; U33.1@146.939,58.928 146.939,61.1 ; R6.1@150.044,142.404 150.044,146.024 U11.8@150.862,146.841 ; v1(154.675,82) 155.5,82 156.591,83.091 U7.20@156.591,84.887 ; v1(156.325,138.5) 156.325,140.095 R5.1@156.381,140.151 ; v1(174.275,68.975) 174.289,68.961 C11.2@178.757,68.961 176.125,66.329 176.125,62.575 ; RB2.1@189.154,40.081 189.154,38.279 187.1,36.225 187.1,35.619 187.098,35.617 187.098,31.677 188.128,30.647 U16.14@192.304,30.647 194.097,30.647 194.65,31.2 ; U14.6@191.071,58.364 189.539,58.364 188.675,57.5 188.675,55.525 v1(187.8,54.65) 181.25,54.65 179.95,55.95 179.95,60.375 177.75,62.575 176.125,62.575 ; U16.16@192.304,33.187 193.988,33.187 194.65,32.525 194.65,31.2 ; D1.2@196.645,87.218 197.957,87.218 198.45,86.725 201.827,86.725 k1.5@203.708,88.606 206.631,88.606 212.088,94.063 U10.9@212.088,96.962 v1(217.05,96.962) 218.988,96.962 223.475,92.475 223.475,85.1 223.15,84.775 223.1,84.775 ; C21.1@199.175,31.2 194.65,31.2 ; C21.1@199.3,31.7 199.3,31.325 202.9,27.725 ; U9.20@199.949,107.188 227.759,107.188 R11.1@228.071,106.877 ; U26.4@213.164,25.725 211.425,25.725 208.5,28.65 203.825,28.65 202.9,27.725 ; v1(216.2,55.25) 215.425,55.25 214.675,56 214.675,56.975 215.302,57.602 U15.4@216.725,57.602 ; L10.1@221.997,84.775 223.1,84.775 ; U15.8@222.313,61.412 223.787,61.412 224.2,61.825 224.2,63.175 v1(223.425,63.95) ; v1(224.35,83.525) 223.1,84.775 ; R11.1@228.081,107.221 227.279,107.221 225.8,108.7 225.8,113.369 R10.1@227.944,115.513 229.963,115.513 230.887,116.437 U21.1@233.207,116.437 U5.3@233.207,110.553 ; J12.5@230.489,43.777 J12.4@230.489,41.237 J12.3@230.489,38.697 J12.2@230.489,36.157 J12.1@230.489,33.617 230.489,30.411 233.248,27.652 J7.1@233.248,26.346 231.846,26.346 230.15,24.65 230.15,15.05 228.5,13.4 206.175,13.4 204.278,15.297 v1(200.072,15.297) C22.1@200.072,18.053 200.125,18 201.925,18 202.9,18.975 202.9,27.725 ; J3.7@233.22,83.359 231.741,83.359 231.225,83.875 231.225,87.4 232.264,88.439 J3.5@233.22,88.439 ; 90.85,103.462 90.85,91.5 93.45,88.9 93.45,87.3 95.836,84.914 C15.2@100.597,84.914 ; 90.85,103.462 R32.1@93.851,103.462 R33.1@98.391,103.462 R40.1@102.93,103.462 R41.1@107.469,103.462 R42.1@112.009,103.462 R43.1@116.548,103.462 R44.1@121.087,103.462 R45.1@125.627,103.462 125.627,106.448 117.862,114.213 108.662,114.213 107.724,113.275 98.975,113.275 97.453,114.797 97.453,117.05 98.256,117.853 99.503,117.853 99.683,117.673 U24.6@100.963,117.673 102.748,117.673 104.517,119.442 104.517,122.979 105.561,124.023 U24.16@106.551,124.023 107.898,124.023 110.85,126.975 ; C15.2@100.597,84.914 102.311,84.914 103.975,83.25 103.975,71.5 106.925,68.55 106.925,67.212 108.856,65.281 ; 106.75,63.25 106.825,63.25 108.856,65.281 ; 108.856,65.281 121.894,65.281 123.59,63.585 C12.2@123.59,62.056 ; 141.475,62.3 141.475,67.025 144.7,70.25 148.875,70.25 v1(150,69.125) 150,67.425 146.939,64.364 146.939,61.1 ; 146.939,61.1 174.65,61.1 176.125,62.575
  Bottom Layer w0.354: v1(39.475,80.475) 39.475,113.25 40.826,114.601 S3.2@42.561,114.601 ; LCD1.2@61.021,138.481 61.025,138.485 61.025,140.1 62.95,142.025 92.132,142.025 94.041,140.116 ; v1(61.925,120.375) 63.525,121.975 63.525,123.625 64.95,125.05 v1@70.425,125.05 ; LCD1.15@94.041,138.481 94.041,140.116 ; LCD2.17@99.121,145.085 99.121,142.471 ; v1(102.45,54.575) 102.45,54 100.075,51.625 100.075,39.825 101.375,38.525 v1(103.05,38.525) 104.852,36.723 ; v1(104.8,29.275) 104.852,29.327 104.852,36.723 ; v1(115.475,43.625) 114.875,43.625 113.625,42.375 111.3,42.375 110.225,41.3 110.225,38.775 108.173,36.723 104.852,36.723 ; v1(124.975,142.05) 131.05,142.05 ; v1(134.225,81.925) v1@154.6,81.925 ; v1(135.65,60.775) 136.8,61.925 136.8,63.425 137.811,64.436 J11.1@139.367,64.436 ; 144.6,81.825 144.6,75.175 150,69.775 v1(150,69.125) ; v1@150,144.225 v1(150.1,144.125) ; v1(156.325,138.5) 156.325,139.475 154.375,141.425 151.825,141.425 151.525,141.725 151.525,142.7 v1(150.1,144.125) ; v1(174.275,68.975) 174.275,71.475 175.2,72.4 183.6,72.4 184.675,73.475 184.675,80.773 BEEP.1@184.557,80.891 ; v1(187.8,54.65) 187.8,48.725 189.154,47.371 RB2.1@189.154,40.081 ; RD1.1@192.059,17.383 195.042,17.383 197.128,15.297 v1(200.072,15.297) ; v1(217.05,96.962) v1(217.05,107.225) ; v1(224.35,83.525) 225.55,82.325 232.186,82.325 J3.7@233.22,83.359 J3.8@233.22,80.819 228.344,80.819 226.625,79.1 226.625,65.2 225.375,63.95 v1(223.425,63.95) 222.619,63.95 220.9,62.231 220.9,59.875 217.65,56.625 216.525,56.625 216.2,56.3 v1(216.2,55.25) 216.2,53.875 216.875,53.2 223.675,53.2 224.325,52.55 224.325,44.475 225.023,43.777 J12.5@230.489,43.777 ; U20.3@233.07,140.49 232.115,140.49 230.425,138.8 230.425,131.179 LD1.1@232.531,129.073 232.531,128.356 230.3,126.125 230.3,118.05 231.913,116.437 U21.1@233.207,116.437 ; 94.041,140.116 95.55,141.625 98.275,141.625 99.121,142.471 ; 99.121,142.471 100.125,141.467 102.867,141.467 104.201,142.801 LCD2.19@104.201,145.085 104.201,145.576 108.25,149.625 128.95,149.625 131.175,147.4 131.175,142.175 131.05,142.05 ; 131.05,142.05 146.45,142.05 148.525,144.125 v1(150.1,144.125)
VCCA: C9.2 C10.1 C27.1 J1.VCCA L9.1 S3.3 U3.16 USB1.+ | length 125.4
  Top Layer w0.254: C9.2@79.486,82.09 C9.2@79.486,82.397
  Top Layer w0.354: U3.16@77.686,80.289 C9.2@79.486,82.09
  Top Layer w1.5: L9.1@41.595,84.454 41.595,108.672 42.561,109.639 ; S3.3@42.561,112.101 42.561,109.639 ; USB1.+@52.704,102.408 57.333,102.408 59.95,105.025 ; C9.2@79.486,82.397 78.326,83.557 C27.1@78.326,88.519 77.856,88.519 73.875,92.5 73.875,99.7 68.55,105.025 59.95,105.025 ; 42.561,109.639 43.4,108.8 54.731,108.8 C10.1@57.531,111.6 59.95,109.181 59.95,105.025
  Bottom Layer w1.5: S3.3@42.561,112.101 43.551,112.101 45.375,113.925 45.375,117.825 47.775,120.225 53.725,120.225 54.8,121.3 54.8,125.793 J1.VCCA@52.475,128.118
VEE: C20.2 D2.1 U26.11 | length 47.9
  Top Layer w0.254: D2.1@200.914,58.166 200.914,52.886 203.127,50.673 C20.2@205.834,50.673 205.95,50.557 v1(205.95,45.95) ; U26.11@218.752,25.725 221.025,25.725 221.95,26.65 v1(221.95,30.05)
  Bottom Layer w0.254: v1(205.95,45.95) 205.95,41.775 215.825,31.9 220.1,31.9 v1(221.95,30.05)
VO1: LCD1.3 LCD2.3 RB1.2 | length 29.2
  Top Layer w0.254: RB1.2@45.349,142.352 45.349,145.149 47.275,147.075 61.571,147.075 LCD2.3@63.561,145.085 LCD1.3@63.561,138.481
WR: J13.2 U25.3 U25.6 U25.9 U25.12 | length 91.9
  Top Layer w0.254: v1@89.35,90.9 92.475,87.775 92.475,77.475 91.064,76.064 J13.2@89.722,76.064 ; v1@89.35,105.25 91,106.9 108.2,106.9 109.262,107.962 v1(109.262,112.762) ; v1(112.53,117.731) 112.611,117.65 112.825,117.65 112.848,117.673 U25.6@114.866,117.673 116.448,117.673 ; U25.3@114.866,121.483 v1(116.592,121.483) 117.075,121 117.075,118.3 116.448,117.673 ; U25.9@120.454,117.673 116.448,117.673 ; U25.12@120.454,121.483 122.892,121.483 v1(122.9,121.475)
  Bottom Layer w0.254: v1(89.3,90.975) 89.325,91 v1(89.325,105.375) ; v1(109.262,112.762) 110.325,113.825 113.35,113.825 115.05,115.525 115.05,116.425 113.744,117.731 v1(112.53,117.731) ; v1@116.592,121.475 v1(122.9,121.475)
Y0: U24.15
Y1: U24.14
Y2: U24.13
Y3: U24.12
Y4: U24.11 U25.11 | length 24.1
  Top Layer w0.254: U24.11@106.551,117.673 108.698,117.673 110.15,119.125 110.15,124.125 111.775,125.75 115.775,125.75 117.875,123.65 117.875,120.925 118.587,120.213 U25.11@120.454,120.213
Y4C: C23.2 U6.11 U25.13 | length 53.4
  Top Layer w0.254: U6.11@118.364,84.379 118.364,85.586 119.284,86.506 C23.2@122.983,86.506 126.731,86.506 130,89.775 130,116.4 123.647,122.753 U25.13@120.454,122.753
Y5: U24.10 U25.5 | length 9.4
  Top Layer w0.254: U24.10@106.551,116.403 109.603,116.403 112.143,118.943 U25.5@114.866,118.943
Y5C: C26.2 U9.11 U25.4 | length 113
  Top Layer w0.254: v1(112.463,120.213) U25.4@114.866,120.213 ; U9.11@199.949,95.758 203.642,95.758 v1(203.825,95.575) 204.875,94.525 204.875,93.675 204.203,93.003 C26.2@202.389,93.003
  Bottom Layer w0.254: v1(112.463,120.213) 113.051,119.625 116.45,119.625 140.5,95.575 v1(203.825,95.575)
Y6: U24.9 U25.8 | length 14.4
  Top Layer w0.254: U24.9@106.551,115.133 116.758,115.133 118.028,116.403 U25.8@120.454,116.403
Y6C: C25.2 U8.11 U25.10 | length 60.9
  Top Layer w0.254: U25.10@120.454,118.943 125.907,118.943 128.875,115.975 128.875,90.375 v1(128.012,89.513) ; U8.11@143.192,84.379 143.192,86.542 v1(144.075,87.425) 145.366,87.425 146.158,86.633 C25.2@147.875,86.633
  Bottom Layer w0.254: v1(128.012,89.513) 141.987,89.513 v1(144.075,87.425)
Y7: U24.7 U25.2 | length 20.7
  Top Layer w0.254: v1(98.903,116.403) U24.7@100.963,116.403 ; v1(112.475,122.8) 112.522,122.753 U25.2@114.866,122.753
  Bottom Layer w0.254: v1(98.903,116.403) 99.975,117.475 105.7,117.475 111.025,122.8 v1(112.475,122.8)
Y7C: C24.2 U7.11 U25.1 | length 94.4
  Top Layer w0.254: U25.1@114.866,124.023 112.277,124.023 v1@112.075,124.225 ; U7.11@168.021,84.887 168.021,86.671 168.237,86.887 C24.2@170.227,86.887 170.475,87.135 170.475,96.425 v1(171.475,97.425) ; v1@112.075,124.225 v1(111.925,124.225) 112,124.3 v1@112.075,124.225
  Bottom Layer w0.254: v1(111.925,124.225) 123.725,124.225 125.35,122.6 125.35,113.3 141.15,97.5 v1@171.45,97.5
pads on no net: A.1 B.1 C.1 D.1 E.1 S1.3 S1.4 S3.1 S3.4 S3.5 S3.6 S4.3 S4.4 S5.3 S5.4 S6.3 S6.4 S7.3 S7.4 S8.3 S8.4 S9.3 S9.4 S10.3 S10.4 S11.3 S11.4 S12.3 S12.4 S13.3 S13.4 S14.3 S14.4 S15.3 S15.4 S16.3 S16.4 S17.3 S17.4 S18.3 S18.4 S19.3 S19.4 U3.7 U3.8 U3.9 U3.10 U3.11 U3.12 U3.13 U3.14 U3.15 U14.1 U14.7 U14.8 U15.7 U16.11 U26.12 U26.13 U26.14 U33.7 U33.8 U33.9 U33.10 U33.11 U33.12 U33.13 U33.14 U33.15 U33.16 U33.17 U33.18 U33.19 U33.20 U33.21 U33.22 U33.23 U33.24 U33.25 U33.26 U33.27 U33.28 U33.29 U33.30 U33.31 U33.32 U33.33 U33.34 U33.35 U33.36

## Polygon pours and split planes (outlines as drawn)
GND on Bottom Layer "Top Layer-No Net" (solid, remove dead copper, pour order 8): 34.7,153.9 35.35,154.55 236.55,154.55 246,154.55 246.325,154.225 244.1,152 244.1,2.2 33.45,2.2 30.6,5.05 32.8,7.25 32.8,154.55
GND on Top Layer "Top Layer-No Net" (solid, remove dead copper, pour order 10): 30.9,155.8 33.1,153.6 241.9,153.6 241.9,6.625 242.225,6.3 31.55,6.3

## Keep-outs
Keep-Out Layer:
  the board outline again, w0.254

## Silkscreen, mask and mechanical layers (free items; w line width, h text height)
Top Overlay:
  lines w0.254: 40.132,18.05 40.132,63.574 54.229,63.574 54.229,18.05 40.132,18.05 ; 130.606,128.15 130.606,133.062 146.199,133.062 146.199,128.15 143.913,128.15 130.606,128.15
  text "+" at 180.467,145.796 h1.02
  text "-" at 137.414,145.542 h1.02
  text "R" at 180.675,142.825 h1.02
  text "T" at 137.575,142.725 h1.02
  text "-" at 180.594,139.954 h1.02
  text "+" at 137.287,139.7 h1.02
  text "4" at 150.125,133.775 h1.02
  text "6" at 152.675,133.775 h1.02
  text "2" at 147.775,133.725 h1.02
  text "单片机竞赛实训平台" at 75.1,132.25 h4.06
  text "Sonic" at 141.02,131.198 h1.02
  text "1-3 2-4" at 131.622,131.071 h1.02
  text "Infra" at 141.02,128.785 h1.02
  text "5-3 6-4" at 131.368,128.658 h1.02
  text "3" at 150.2,126.25 h1.02
  text "5" at 152.75,126.25 h1.02
  text "1" at 147.85,126.2 h1.02
  text "U22" at 194.675,119.95 h1.02
  text "HALL" at 225.932,97.663 h1.02
  text "P24" at 227.456,95.13 h1.02
  text "GND" at 227.456,92.596 h1.02
  text "1WIRE" at 225.85,90.075 h1.02
  text "VCC" at 227.456,87.53 h1.02
  text "MOT" at 227.456,84.996 h1.02
  text "VCC" at 227.456,82.463 h1.02
  text "+" at 186.675,80.975 h1.02
  text "VCC" at 227.456,79.93 h1.02
  text "IO" at 91.821,78.105 h1.02
  text "A" at 227.825,77.175 h1.02
  text "B" at 227.925,74.875 h1.02
  text "C" at 228,72.75 h1.02
  text "MM" at 91.821,72.39 h1.02
  text "D" at 228.15,70.025 h1.02
  text "SPK" at 227.456,67.263 h1.02
  text "GND" at 227.456,64.73 h1.02
  text "VCC" at 133.858,63.627 h1.02
  text "P10" at 113.665,62.738 h1.02
  text "SIGNAL" at 225.125,61.975 h1.02
  text "P00" at 133.858,61.1 h1.02
  text "P11" at 113.665,60.205 h1.02
  text "P34" at 227.456,59.663 h1.02
  text "P01" at 134.366,58.573 h1.02
  text "VCC" at 141.097,58.166 h1.02
  text "P12" at 113.665,57.671 h1.02
  text "GND" at 227.456,57.13 h1.02
  text "P02" at 133.858,56.046 h1.02
  text "GND" at 141.097,55.753 h1.02
  text "P13" at 113.665,55.138 h1.02
  text "A/D" at 227.456,54.597 h1.02
  text "P03" at 133.858,53.519 h1.02
  text "P47" at 141.097,53.34 h1.02
  text "P14" at 113.665,52.605 h1.02
  text "D/A" at 227.456,52.063 h1.02
  text "P04" at 133.858,50.992 h1.02
  text "P46" at 141.097,50.546 h1.02
  text "P15" at 113.665,50.071 h1.02
  text "GND" at 227.456,49.53 h1.02
  text "P05" at 133.858,48.465 h1.02
  text "P37" at 141.097,48.006 h1.02
  text "P16" at 113.665,47.538 h1.02
  text "P06" at 133.858,45.938 h1.02
  text "P36" at 141.097,45.085 h1.02
  text "P17" at 113.665,45.005 h1.02
  text "P07" at 133.858,43.411 h1.02
  text "GND" at 113.665,42.471 h1.02
  text "VCC" at 133.858,40.884 h1.02
  text "P30" at 113.665,39.938 h1.02
  text "o" at 128.5,39.7 h1.02
  text "ALE" at 133.858,38.357 h1.02
  text "P31" at 113.665,37.405 h1.02
  text "GND" at 133.858,35.83 h1.02
  text "P32" at 113.665,34.872 h1.02
  text "RESET" at 102.825,34.475 h1.02
  text "P27" at 133.858,33.303 h1.02
  text "P33" at 113.665,32.338 h1.02
  text "51" at 104.25,32.225 h1.02
  text "P26" at 133.858,30.776 h1.02
  text "GND" at 232.175,30.65 h1.14
  text "VCC" at 228.6,30.6 h1.14
  text "P34" at 113.665,29.805 h1.02
  text "P25" at 133.858,28.249 h1.02
  text "P35" at 113.665,27.272 h1.02
  text "VCC" at 228.825,25.8 h1.02
  text "P24" at 133.858,25.722 h1.02
  text "P42" at 113.665,24.738 h1.02
  text "IN-" at 228.875,23.325 h1.02
  text "P23" at 133.858,23.195 h1.02
  text "P44" at 113.665,22.205 h1.02
  text "IN+" at 228.95,20.725 h1.02
  text "P22" at 133.858,20.668 h1.02
  text "VCC" at 113.665,19.672 h1.02
  text "GND" at 228.9,18.225 h1.02
  text "P21" at 134.366,18.141 h1.02
  text "KBD BTN" at 100.457,17.653 h1.02
  text "VCC" at 113.665,17.138 h1.02
  text "Q158S50" at 64.897,16.891 h1.02
  text "P20" at 133.858,15.614 h1.02
  text "GND" at 113.665,14.605 h1.02
  text "CU33BI-198-AJBOOG" at 54.864,13.335 h2.03
  text "1" at 100.725,12.6 h1.52

## Text inside footprints (layer, text, board x,y; h text height)
LD1: Top Overlay "+" at 229.941,127.676 h1.02